# KiCad board evr-fmc.kicad_pcb (continued)
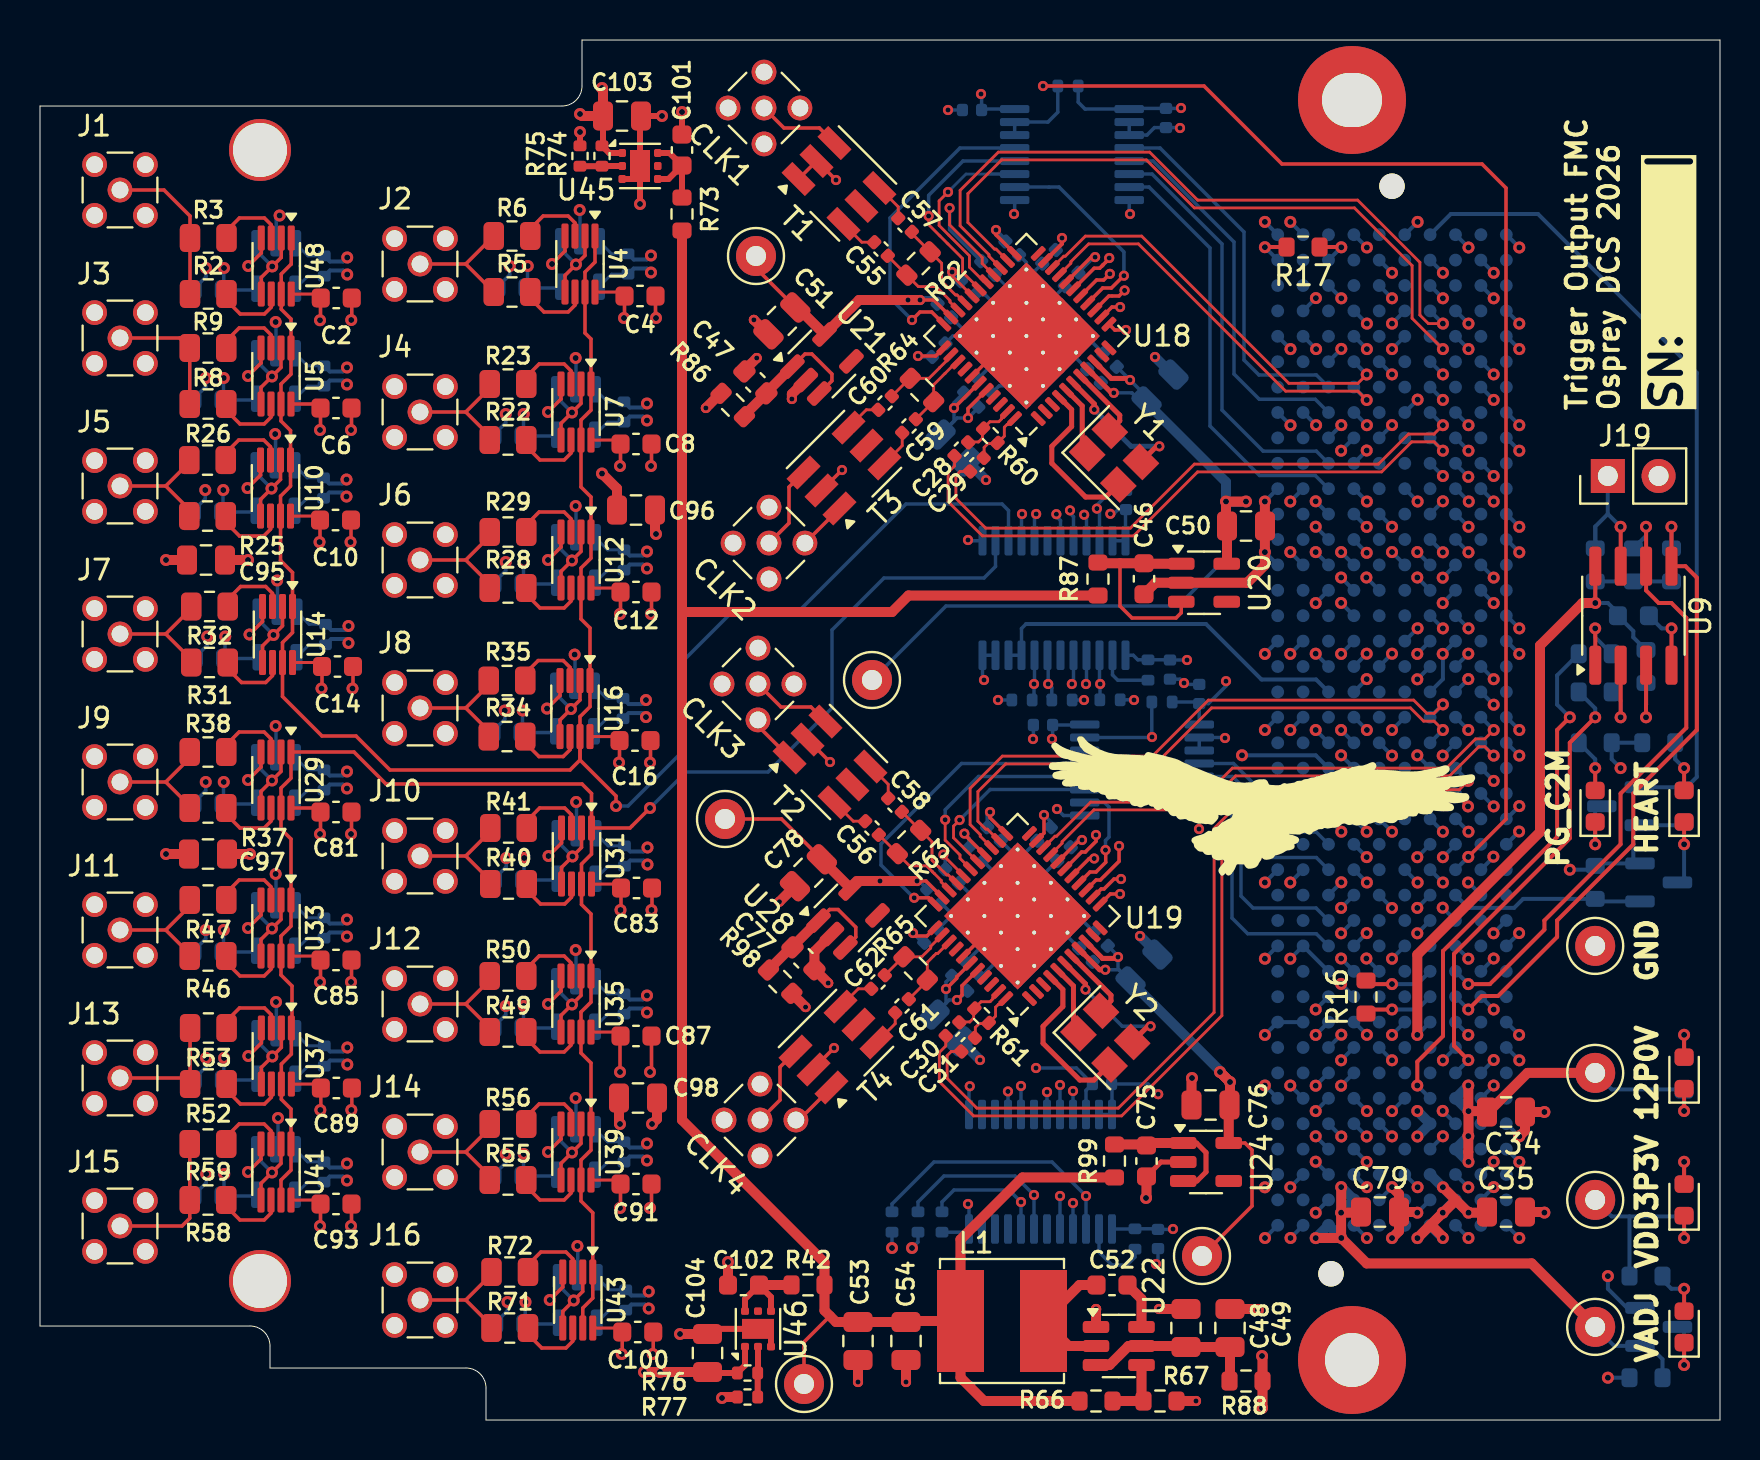
[diagram p0: board, top side]
## Nets (continued)
Net-(U43-1A): U42.1 U43.2 U43.5
Net-(U43-1Y): R71.1 U43.6
Net-(U43-2Y): R72.1 U43.3
Net-(U45-EN): C101.1 R73.2 U45.4 U45.6
Net-(U45-FB): R74.2 R75.1 U45.2
Net-(U46-EN): C102.1 R42.2 U46.4 U46.6
Net-(U46-FB): R76.1 R77.2 U46.2
Net-(U48-1A): U1.1 U48.2 U48.5
Net-(U48-1Y): R2.1 U48.6
Net-(U48-2Y): R3.1 U48.3

Pads without a net: P1 A2 A3 A6 A7 A10 A11 A14 A15 A18 A19 A22 A23 A26 A27 A30 A31 A34 A35 A38 A39 B1 B4 B5 B8 B9 B12 B13 B16 B17 B24 B25 B28 B29 B32 B33 B36 B37 B40 C2 C3 C6 C7 D11 D23 D29 D33 D34 E2 E3 E6 E7 E9 E10 E12 E13 E15 E16 E18 E19 E21 E22 E24 E25 E27 E28 E30 E31 E33 E34 E36 E37 E39 F1 F4 F5 F7 F8 F10 F11 F13 F14 F16 F17 F19 F20 F22 F23 F25 F26 F28 F29 F31 F32 F34 F35 F37 F38 F40 G2 G3 H1 H4 H5 H16 H17 H20 H23 J2 J3 J6 J7 J9 J10 J12 J13 J15 J16 J18 J19 J21 J22 J24 J25 J27 J28 J30 J31 J33 J34 J36 J37 J39 K3 K4 K6 K7 K9 K10 K12 K13 K15 K16 K18 K19 K21 K22 K24 K25 K27 K28 K30 K31 K33 K34 K36 K37 K39; T1 5; T2 5; T3 5; T4 5; U18 1 2 3 10 11 22 37 41 42; U19 1 2 3 10 11 22 37 41 42; U20 4; U21 4; U24 4; U26 6 18; U27 6 9 10 14 15 18; U28 4; U45 5; U46 5

## Via types
v1: diameter 0.6, hole 0.3, Top to Bottom, 438 vias
v2: diameter 0.508, hole 0.254, Top to Bottom, 115 vias

## Routing (per net, layer and track width the routed paths; a pad name or vN(x,y) marks a point on that pad's centre or on a via; arc(x,y) is an arc through that point)
+12V_FMC: length 22.3
  Top w0.5: v1(61.1,0.6) 61.12,0.62 R88.1 61.12,3.18 v1(61.1,3.2) ; v1(71.43,15.44) 71.43,14.2 v1(71.41,14.19) 71.41,12.92 v1(71.43,12.91) ; v1(71.43,15.44) 72.5,15.44 72.55,15.4 ; v1(71.43,15.44) 71.41,15.45 v1(71.41,16.72) ; TP2.1 74.38,17.36 72.42,15.4 C34.1
  Bottom w0.2: 82.21,16.53 78.59,16.53 TP2.1
  Bottom w0.5: v1(71.41,16.72) 70.78,16.08 70.78,16.08 v1(71.43,15.44) 71.41,15.44 ; 71.41,14.19 P1.C37 71.41,12.91 v1(71.43,12.91)
/Digital IO/VCC_A: length 51.9
  Top w0.15: C6.2 13.83,50.8 ; U14.8 13.9,37.88 C14.2 ; C8.2 28.82,49 U7.8 ; U48.8 13.84,56.3 C2.2 ; U10.8 13.8,45.2 C10.2 ; U4.8 29.03,56.4 C4.2 ; C12.2 28.82,41.6 U12.8 ; C16.2 28.78,34.17 U16.8
  Top w0.175: v1(29.2,55.1) 29.22,55.12 C4.2 ; v1(29,40.3) 29.03,40.33 C12.2 ; C8.2 29.03,47.72 v1(29,47.7) ; C14.2 14.1,36.6 v1(14.08,36.58) ; 14.03,56.09 14.03,55.01 v1(14,54.99) ; v1(28.95,32.87) 28.98,32.9 C16.2 ; U5.8 13.83,50.8 ; v1(13.98,43.9) 14,43.92 C10.2 ; C6.2 14.03,49.53
  Top w0.3: 14.03,56.09 C2.2 ; 29.03,56 C4.2 ; 14.1,44.9 C10.2 14,45.1 14.03,45.12 ; U45.1 28.46,63.35 R75.2 28.15,63.76 C103.1 ; 28.98,41.35 C12.2
  Top w0.5: C96.1 30.75,44.35 v1(30.8,44.3) ; C95.1 v1(10.4,43) ; v1(27,65.3) 27.1,65.2 C103.1 28.15,66.55 v1(28.1,66.6)
  Bottom w0.175: U13.5 10.86,38.08 C13.2 9.25,39.16 ; 9.15,46.49 C9.2 10.76,45.4 U8.5 ; 9.17,52.09 C5.2 10.79,51 U2.5 ; U11.5 25.79,41.8 C11.2 24.18,42.89 ; U15.5 25.74,34.37 C15.2 24.13,35.46 ; U6.5 25.79,49.2 C7.2 24.18,50.29 ; 24.38,57.69 C3.2 25.99,56.6 U3.5 ; v1(9.2,57.6) 9.19,57.59 C1.2 10.8,56.5 U1.5
  vias: v1(9.19,52.1) v1(9.16,46.5) v1(9.26,39.18) v1(14,49.5) v1(24.14,35.47) v1(24.19,50.3) v1(24.19,42.9) v1(24.39,57.7)
/Digital IO/VCC_B: length 53.4
  Top w0.15: C93.2 13.83,11 U41.8 ; U31.8 28.85,26.8 C83.2 ; C85.2 13.83,23.2 U33.8 ; C89.2 13.84,16.8 U37.8 ; C91.2 28.82,12 U39.8 ; C81.2 13.83,30.6 ; U35.8 28.82,19.4 C87.2 ; U43.8 28.91,4.6 C100.2
  Top w0.175: v1(29.09,3.3) 29.11,3.32 C100.2 ; C93.2 14.03,9.72 v1(14,9.7) ; v1(14,21.9) 14.03,21.92 C85.2 ; C87.2 29,19.17 v1(29,17.4) ; C81.2 14.03,29.33 v1(14,29.3) ; v1(29,10.6) 29.03,10.62 C91.2 ; U29.8 13.83,30.6 ; v1(29.02,25.5) 29.05,25.52 C83.2 ; v1(14.02,15.5) 14.04,15.53 C89.2
  Top w0.3: U46.1 35.25,2.74 R76.2 33.43,2.35 C104.1
  Top w0.5: C98.1 28.95,14.85 v1(29,14.8) ; C104.1 v1(31,2.4) v1(30.2,2.4) ; 29.11,11.71 C91.2 ; 14.03,16.62 C89.2 ; C97.1 v1(10.5,28.3) ; 14.04,10.82 C93.2 ; 29.05,19.22 C87.2
  Bottom w0.175: U42.5 25.88,4.8 C94.2 24.26,5.89 ; 24.18,20.69 C86.2 25.79,19.6 U34.5 ; 10.79,30.8 U17.5 10.79,30.8 ; 10.79,30.8 C80.2 9.17,31.89 ; 9.19,18.09 C88.2 10.8,17 U36.5 ; U30.5 25.81,27 C82.2 24.2,28.09 ; C92.2 10.79,11.2 U40.5 ; U32.5 10.79,23.4 C84.2 9.17,24.49 ; 24.18,13.29 C90.2 25.79,12.2 U38.5 ; 9.2,11.2 9.2,12.29
  vias: v1(9.19,31.9) v1(9.19,24.5) v1(9.2,18.1) v1(9.21,12.3) v1(24.21,28.1) v1(24.19,20.7) v1(24.19,13.3) v1(24.28,5.9)
/Jitter Cleaner0/VDD: length 40.5
  Top w0.175: U18.39 46.94,51.84 v2(45.7,50.6) ; U18.40 46.4,50.57 v2(46.4,50.1) ; C51.1 35.8,57.59 TP5.1 ; v2(44,56) 44.69,56 U18.32
  Top w0.2: v2(51.1,59.1) 51.1,58.81 U18.21
  Top w0.5: v2(44,56) v2(43.4,56) 40.95,56 U21.5 37.87,55.63 C51.1
  In4.Cu w0.5: 45.29,54.2 45.29,51.01 v2(45.7,50.6) 46.2,50.1 v2(46.4,50.1) ; 45.29,54.2 45.29,54.94 49.45,59.1 v2(51.1,59.1) ; 45.29,54.2 45.29,54.71 v2(44,56)
  Bottom w0.175: C23.1 51.1,58.81 v2(51.1,59.1) ; C25.1 45.7,50.86 v2(45.7,50.6) 45.7,49.94 C73.1 45.86,50.1 v2(46.4,50.1) 46.92,50.62 C26.1
  Bottom w0.2: v2(44,56) 44.1,56.1 44.59,56.1 C24.1
  Bottom w0.5: v2(43.4,56) v2(44,56)
/Jitter Cleaner0/VDDA: length 44
  Top w0.25: v2(54.5,52) 54.42,52.08 53.56,52.08 U18.9 ; v2(53.69,51.36) 53.58,51.36 U18.8
  Top w0.5: v1(60.3,45.92) 59.32,45.92 59.3,45.9 ; 59.35,42.8 U20.5 59.35,42.83 C50.1 59.3,44.75 v1(59.3,45.92)
  Bottom w0.175: C17.1 53.54,51.36 v2(53.69,51.36) 54.59,51.36 55.02,50.93 C63.1 55.33,51.17 v2(54.5,52) C18.1 ; TP7.1 45.3,40.7 56.9,40.7 59.3,43.1 v1(59.3,45.92)
  Bottom w0.25: 53.63,51.44 53.69,51.39 v2(53.69,51.36)
  Bottom w0.5: C63.1 55.33,50.87 59.3,46.9 59.3,45.9 60.28,45.9 v1(60.3,45.92)
/Jitter Cleaner1/VDD: length 41.7
  Top w0.175: U19.39 45.83,22.15 45.83,22.08 v2(45.3,21.55) ; TP9.1 37.08,30.05 C78.1 ; v2(45.85,21) 46.1,21.25 46.1,21.71 U19.40 ; v2(43.85,26.95) 44.3,26.95 U19.32 ; v2(50.2,30.25) 50.2,29.35 U19.21
  Top w0.5: C78.1 39.09,28.02 U28.5 40.91,26.95 v2(42,26.95) v2(43.85,26.95)
  In4.Cu w0.5: v2(45.85,21) v2(45.3,21.55) 44.75,22.1 44.75,26.65 ; 45.85,26.95 49.15,30.25 v2(50.2,30.25) ; 45.85,26.95 45.05,26.95 44.75,26.65 ; 45.85,26.95 v2(43.85,26.95) ; v2(43.85,26.95) v2(42,26.95) ; v2(43.85,26.95) 44.45,26.95 44.75,26.65
  Bottom w0.175: v2(50.2,30.25) 50.54,29.91 C41.1 ; C43.1 43.95,26.95 v2(43.85,26.95) ; C44.1 45.3,21.9 v2(45.3,21.55) 45.3,20.84 C74.1 45.46,21 v2(45.85,21) 45.9,21 C45.1
/Jitter Cleaner1/VDDA: length 27.4
  Top w0.175: U24.5 60.25,13.85 60.6,13.5 60.6,10.7 TP6.1
  Top w0.25: v2(53.9,23.15) 53.83,23.08 53.12,23.08 U19.9 ; U19.8 52.98,22.51 v2(53.26,22.51)
  Top w0.5: 59.47,16.93 v1(59,17.4) v1(59.5,16.9) 59.5,15.78 C76.1 59.44,15.71 U24.5
  Bottom w0.175: C37.1 53.04,22.51 v2(53.26,22.51) 53.94,22.51 C64.1 53.9,22.56 v2(53.9,23.15) 53.9,23.2 C39.1
  Bottom w0.5: v1(59.5,16.9) v1(59,17.4) 59,17.46 C64.1
GND: length 443.1
  Top w0.175: U4.4 26.25,58.45 v1(25.6,57.8) ; v1(15.55,9.7) 15.58,9.72 C93.1 ; U18.38 48.61,54.2 U18.45 ; v1(30.55,47.7) 30.57,47.72 C8.1 ; v1(25.4,43) 26.05,43.65 U12.4 ; U43.4 26.14,6.65 v1(25.49,6) ; v1(10.4,12.4) 11.05,13.05 U41.4 ; C12.1 30.57,40.33 v1(30.55,40.3) ; U35.4 26.05,21.45 v1(25.4,20.8) ; v1(10.38,46.6) 11.03,47.25 U10.4 ; v1(30.5,17.4) 30.57,17.47 C87.1 ; U5.4 11.05,52.85 v1(10.4,52.2) ; C100.1 30.66,3.32 v1(30.64,3.3) ; v1(25.43,28.2) 26.07,28.85 26.07,29.6 ; T3.2 v2(40.1,47.5) ; C89.1 15.59,15.53 v1(15.57,15.5) ; U19.38 47.34,24.37 U19.45 ; U37.4 11.07,18.85 v1(10.42,18.2) ; CLK2.2 38.25,43.85 T3.1 ; v1(15.55,29.3) 15.58,29.33 C81.1 ; v1(15.56,55) 15.59,55.03 C2.1 ; CLK3.2 35.9,34.7 T2.1 ; v1(30.5,10.6) 30.57,10.68 C91.1 ; C85.1 15.58,21.92 v1(15.55,21.9) ; v1(25.4,50.4) 26.05,51.05 U7.4 ; U16.4 26,36.22 v1(25.35,35.57) ; C83.1 30.6,25.52 v1(30.57,25.5) ; 11.12,40.68 11.12,39.92 v1(10.48,39.28) ; v1(10.41,57.7) 11.06,58.35 U48.4 ; T4.1 37.95,15 CLK4.2 ; T2.2 v2(39.5,32.9) ; T1.1 T1.2 38.85,62.95 v2(39.8,62) ; v1(30.5,32.87) 30.53,32.9 C16.1 ; v1(10.4,32) 11.05,32.65 U29.4 ; v1(30.8,55.1) 30.8,55.35 30.78,55.38 C4.1 ; v1(10.4,24.6) 11.05,25.25 U33.4 ; C10.1 15.55,43.92 v1(15.53,43.9) ; v2(39.7,18.6) 38.68,17.58 T4.2 ; v1(15.63,36.58) 15.65,36.6 C14.1 ; v1(15.55,49.5) 15.58,49.53 C6.1 ; U39.4 26.05,14.05 v1(25.4,13.4)
  Top w0.2: D3.1 v1(82.21,9.1) ; v1(61.25,58.64) 61.25,58.65 R17.2 ; U9.4 v1(81.57,39.58) ; D5.1 v1(82.21,15.45)
  Top w0.25: C75.2 56.05,12.9 U24.2
  Top w0.3: R74.1 v1(27,64.4) ; U45.7 30,65.15 C103.2 v1(31.1,65.2) ; U45.7 30,62.4 29.65,62.05 U45.3 ; U45.7 v1(30,60.8) ; 33.37,4.3 33.63,4.56 U46.7 36.3,4.56 36.55,4.31 U46.3 ; C101.2 v1(32.1,65.4)
  Top w0.5: C102.2 v1(34.4,7.9) ; C54.2 v2(43.3,1.9) ; v1(30.6,14.8) 30.85,15.05 C98.2 ; v1(75.22,10.37) 75.19,10.4 C35.2 ; C96.2 28.85,46.57 v1(28.1,47.32) ; R67.2 v2(57.8,0.95) ; v1(61.25,45.92) 61.25,44.7 C50.2 61.25,44.7 v1(61.25,43.39) 61.25,42.75 60.36,41.86 U20.2 55.78,41.86 C46.2 ; R77.1 34.15,1.15 v1(34.1,1.1) ; v1(75.22,15.4) C34.2 74.25,14.47 v1(73.97,14.18) ; v1(67.6,11.65) 67.95,11.29 C79.2 ; 52.81,5.54 v2(52.8,5.55) U22.1 ; C53.2 v2(40.9,1.9) ; v2(37.59,51.05) 37.59,51.3 U21.2 ; C78.2 v2(36.97,25.91) ; U28.2 38.72,23.42 C77.2 v2(39.41,21.85) ; v1(60.9,5.5) 60.85,5.55 C49.2 ; v1(57.6,17.1) 57.57,17.07 C76.2 ; C95.2 v1(6.3,43) ; v1(67.6,9.09) 67.95,9.44 C79.2 ; v2(35.69,55.01) 36.42,54.28 C51.2 ; C48.2 v2(55.95,5.55) ; C79.2 68.83,10.4 v1(68.87,10.37) ; C47.2 35.16,52.43 v2(35.84,53.1) ; C75.2 55.32,11.12 v1(55.3,11.1) ; C97.2 v1(6.3,28.3) ; C104.2 v1(32,4.3)
  Bottom w0.14: C27.2 49.32,55.68 U18.45
  Bottom w0.175: C3.1 23.49,57.26 v1(23.49,57.7) ; C1.1 8.3,57.16 v1(8.3,57.6) ; U18.45 45.64,54.2 C22.2 ; v2(47.2,37) 47.12,37.08 U26.12 47.78,38.24 ; U8.2 11.78,49.28 ; C18.2 52.3,54.2 U18.45 ; C70.1 53.58,46.48 52.85,45.75 v2(52.85,45.57) 52.97,45.44 U26.22 ; C66.1 56.98,64.62 v2(57,64.6) ; C44.2 48.6,25.2 U19.45 ; C7.1 23.29,49.86 v1(23.29,50.3) ; C37.2 50.35,25.2 U19.45 ; U19.45 48.88,23.98 C45.2 ; U19.45 48.88,27.98 C41.2 ; U19.45 47.6,25.2 C38.2 ; U19.45 51.9,25.2 C39.2 ; U19.45 48.88,25.98 C32.2 ; U19.45 50.49,23.59 ; U19.45 48.88,26.22 C42.2 ; U19.45 48.88,28.12 C36.2 ; U19.45 45.7,25.2 C43.2 ; R94.1 46.29,9.39 U27.12 ; C40.2 44.9,24.54 U19.45 ; v2(46.4,10.8) 46.45,10.75 U27.12 ; v2(48.7,60.3) 48.73,60.33 U23.9 ; C21.2 47.26,56.26 U18.45 ; v2(49.65,34.05) 49.67,34.07 C67.1 ; U32.2 11.8,27.28 ; U13.2 11.88,41.96 ; v1(8.36,39.18) 8.36,38.74 C13.1 ; U25.3 U25.2 59.22,34.12 v2(59.25,34.1) ; v2(49.8,17.6) 51.82,17.6 C72.1 52.3,16.48 52.3,15.28 ; U25.8 57.96,29.56 v2(57.95,29.55) ; R93.1 v2(47.9,36) ; U27.12 U27.11 ; v2(50.85,30.55) 51.18,30.22 U25.9 ; 7.65,11.2 8.31,11.86 v1(8.31,12.3) ; v1(8.29,24.5) 8.29,24.06 C84.1 ; v1(23.29,13.3) 23.29,12.86 C90.1 ; v1(11.98,60.22) 11.81,60.06 U1.2 ; v1(8.3,18.1) 8.3,17.66 C88.1 ; C5.1 8.29,51.66 v1(8.29,52.1) ; v1(23.31,28.1) 23.31,27.66 C82.1 ; U18.45 49.32,57.88 C20.2 ; U18.45 49.32,57.03 C23.2 ; U18.45 49.32,54.77 C19.2 ; U18.45 49.32,55.63 ; U42.2 26.89,8.68 ; v2(54.5,60.3) 54.46,60.34 U23.8 ; C80.1 8.29,31.46 v1(8.29,31.9) ; C17.2 51.81,53.09 U18.45 ; U40.2 11.9,13.64 v1(11.9,15.1) 11.8,15 ; C69.1 57.01,37.04 v2(57.2,36.85) 57.27,36.78 C68.1 ; C25.2 47.37,52.54 U18.45 ; U26.13 46.44,43.96 v2(46.4,44) ; 47.77,55.03 U18.45 ; U2.2 11.8,54.88 ; U36.2 11.82,20.88 v1(11.8,20.9) ; C11.1 23.29,42.46 v1(23.29,42.9) ; 56.1,64.62 55.72,64.62 55.35,64.25 U23.3 U23.2 ; v2(46.49,16.69) 46.45,16.65 46.45,15.28 ; v1(23.24,35.47) 23.24,35.03 C15.1 ; v2(55.8,7.8) 55.9,7.9 C71.1 ; v1(23.29,20.7) 23.29,20.26 C86.1 ; C65.1 v2(45.4,65.5) ; v1(8.26,46.5) 8.26,46.06 C9.1 ; U6.2 26.8,53.08 ; U18.45 47.96,51.71 C26.2 ; U17.2 11.8,34.68 ; C24.2 46.49,54.2 U18.45 ; U34.2 26.8,23.48 ; U38.2 26.8,16.08 ; U3.2 27,60.48 ; v1(23.38,5.9) 23.38,5.46 C94.1 ; U15.2 26.75,38.25 ; U11.2 26.8,45.68 ; U30.2 26.82,30.88
  Bottom w0.2: 70.78,55.46 v1(71.43,54.82) ; 73.32,38.94 v1(73.97,38.31) ; 68.24,16.08 v1(67.6,15.44) ; P1.E1 v1(68.88,59.91) ; 64.43,22.44 P1.H30 P1.J29 v1(62.51,23.06) ; 70.78,50.38 v1(71.43,49.74) ; P1.D39 v1(68.87,10.37) ; P1.B11 v1(72.69,45.92) ; P1.B22 v1(72.69,31.95) ; 68.24,55.46 v1(67.6,54.82) ; P1.D22 v1(68.87,33.23) ; 72.04,37.68 v1(72.69,37.04) ; P1.H27 v1(65.06,26.89) ; P1.K5 v1(62.53,53.55) ; P1.J17 v1(62.51,38.31) ; 73.32,49.11 v1(73.97,48.47) ; 73.32,18.62 v1(73.97,17.98) ; P1.J26 v1(62.51,26.88) ; C33.2 81.08,39.58 v1(81.57,39.58) 81.43,39.72 ; P1.C36 v1(70.13,15.45) ; P1.A32 v1(73.96,19.25) ; P1.H36 v1(65.06,14.17) ; 73.32,40.22 v1(73.97,39.58) ; P1.J38 v1(62.51,11.63) ; 65.71,54.19 v1(66.34,53.55) ; 70.78,28.78 v1(70.15,28.14) ; P1.E17 v1(68.88,39.58) ; 65.71,50.38 v1(66.34,49.74) ; 72.04,12.28 v1(72.69,12.92) ; R101.1 82.21,29.74 Q1.2 79.66,29.74 79.66,27.83 Q3.2 77.76,27.83 R103.1 77.57,27.52 v1(76.49,27.52) ; P1.B31 v1(72.69,20.53) ; 70.78,44.03 v1(71.43,43.39) ; 66.96,26.24 v1(67.6,25.6) ; Q2.2 79.35,5.6 78.4,6.56 v1(78.4,7.19) ; P1.H24 v1(65.06,29.42) ; 73.32,44.03 v1(73.97,43.39) ; P1.H18 v1(63.78,38.31) ; P1.K11 v1(61.25,45.92) ; P1.F9 v1(67.6,49.75) ; P1.J20 v1(62.51,34.5) ; P1.D37 v1(70.15,14.19) ; 73.32,35.14 v1(73.97,34.5) ; 73.32,13.55 v1(73.97,12.91) ; P1.J4 v1(63.79,56.09) ; 73.32,54.19 v1(73.97,53.55) ; P1.K1 v1(61.25,59.91) ; P1.F15 v1(66.32,42.13) ; P1.B7 v1(72.69,51) ; P1.B3 v1(72.69,56.08) ; P1.E40 v1(67.6,9.09) ; P1.D28 v1(68.87,24.33) ; 72.04,16.08 v1(72.69,16.72) ; 72.04,58 v1(72.69,57.36) ; 70.78,59.27 v1(71.43,58.62) ; 66.96,58 v1(67.6,57.36) ; 61.88,31.32 v1(62.53,30.68) ; P1.B19 v1(72.69,35.77) ; 69.5,40.22 v1(70.15,39.58) ; 70.78,40.22 v1(71.43,39.58) ; P1.K17 v1(61.25,38.31) ; 65.71,16.08 v1(66.34,15.44) ; P1.E11 v1(68.88,45.92) ; P1.K20 v1(61.25,34.5) ; 68.24,50.38 v1(68.88,51.02) ; 63.16,9.74 v1(62.53,9.1) ; P1.H39 v1(63.78,10.37) ; 63.16,31.32 v1(63.81,30.68) ; P1.E5 v1(67.6,53.55) ; P1.F24 v1(67.6,29.42) ; 73.32,14.82 v1(73.97,14.18) ; P1.E26 v1(68.88,26.88) ; 65.71,27.52 v1(66.34,26.88) ; v1(65.06,56.08) P1.H3 ; P1.C29 v1(71.41,23.06) ; P1.A25 v1(73.96,29.42) ; P1.C28 v1(70.13,25.61) ; 61.88,16.08 v1(61.25,16.72) ; P1.K14 v1(61.25,43.39) ; 65.71,12.28 v1(66.34,11.64) ; 70.78,49.11 v1(71.43,48.47) ; 72.04,31.32 v1(72.69,30.68) ; P1.E20 v1(67.6,34.5) ; 69.5,58 v1(70.15,57.36) ; P1.A28 v1(72.68,24.33) ; P1.C20 v1(71.41,34.5) ; P1.F39 v1(67.6,11.65) ; P1.B15 v1(72.69,40.84) ; P1.F21 v1(67.6,33.22) ; 65.71,31.32 v1(66.34,30.68) ; P1.D7 v1(70.15,51) ; 70.78,18.62 v1(70.15,17.98) ; 73.32,50.38 v1(73.97,49.74) ; 70.78,54.19 v1(71.43,53.55) ; P1.F30 v1(66.32,23.08) ; 72.04,47.84 v1(72.69,47.2) ; P1.K29 v1(61.25,23.06) ; P1.B39 v1(72.69,11.65) ; 72.04,17.36 v1(72.69,18) ; P1.J14 v1(62.51,43.39) ; P1.E14 v1(67.6,43.39) ; 73.32,59.27 v1(73.97,58.62) ; 72.04,42.76 v1(72.69,42.12) ; 73.32,33.86 v1(73.97,33.22) ; 63.16,54.19 v1(63.81,53.55) ; P1.D19 70.15,37.05 70.15,38.31 P1.C17 v1(70.13,38.31) ; 68.24,12.28 v1(68.88,11.64) ; 63.16,50.38 v1(63.81,49.74) ; P1.B27 72.06,26.25 ; P1.J1 v1(62.51,59.91) ; P1.E32 v1(67.6,19.25) ; 65.71,55.46 v1(66.34,54.82) ; 66.96,52.92 v1(67.6,52.28) ; 73.32,30.06 v1(73.97,30.69) ; 73.32,55.46 v1(73.97,54.82) ; 63.16,16.08 v1(62.51,16.72) ; 72.04,52.92 v1(72.69,52.28) ; 61.88,9.74 61.25,9.1 ; P1.B26 72.68,28.14 ; 68.24,31.32 v1(68.88,30.68) ; P1.J11 v1(62.51,45.92) ; P1.G17 v1(65.06,38.31) ; P1.F3 v1(67.6,56.08) ; 70.78,30.06 v1(71.43,29.42) ; 64.43,52.92 v1(65.06,53.56) ; 65.71,46.56 v1(66.34,45.92) ; R102.1 v1(78.4,2.12) ; 72.06,26.25 71.43,26.88 ; 70.78,9.74 v1(71.43,9.1) ; P1.C32 v1(71.41,19.25) ; P1.F18 v1(67.6,38.31) ; P1.B30 v1(72.69,23.08) ; 69.5,52.92 v1(70.15,52.28) ; 73.32,45.3 v1(73.97,44.66) ; P1.J32 P1.K32 v1(61.25,19.25) ; 70.78,45.3 v1(71.43,44.66) ; 65.71,9.74 v1(66.34,9.1) ; 73.32,9.74 v1(73.97,9.1) ; 61.88,58 v1(61.25,58.64) ; 69.5,28.78 v1(68.87,28.14) ; 66.96,45.3 v1(67.6,44.66) ; P1.K38 v1(61.25,11.63) ; P1.K26 v1(61.25,26.88) ; 65.71,59.27 v1(66.34,58.62) ; P1.F33 v1(67.6,17.98) ; 61.88,50.38 v1(62.53,49.74) ; P1.H33 v1(65.06,19.27) ; 65.71,35.14 v1(66.34,34.5) ; P1.H12 v1(63.78,45.94) ; P1.H21 v1(63.78,34.5) ; 69.5,47.84 v1(70.15,47.2) ; P1.D13 v1(70.15,43.39) ; P1.E29 v1(67.6,23.06) ; P1.G14 v1(65.05,43.4) ; P1.D3 v1(70.15,56.08) ; P1.H9 v1(65.06,49.75) ; P1.G29 v1(66.34,24.34) ; P1.A29 v1(73.96,24.34) ; P1.C38 v1(71.41,11.63) ; 65.71,19.9 v1(66.34,19.26) ; P1.C21 v1(70.13,33.22) ; 66.96,14.82 v1(67.6,14.18) ; P1.H15 v1(63.78,40.84)
  Bottom w0.5: C73.2 v2(47.3,47) ; C64.2 55.87,23.33 v2(55,24.2) ; C74.2 v2(47,18) ; C63.2 56.63,52.27 v2(55.75,53.15)
  vias: v1(11.78,54.9) v1(11.76,49.3) v1(11.78,34.7) v1(11.78,27.3) v1(11.86,41.98) v1(26.73,38.27) v1(26.78,53.1) v1(26.78,45.7) v1(26.81,30.9) v1(26.78,23.5) v1(26.78,16.1) v1(26.87,8.7) v1(26.98,60.5) v1(61.25,9.1) v1(71.41,26.88) v1(72.67,28.17)
VDD3P3V: length 48.5
  Top w0.14: U18.26 47.11,57.82 47.11,58.13 45.48,59.76 v2(45.48,60.6)
  Top w0.175: v2(46.22,29.32) 46.22,29.28 U19.26
  Top w0.5: v1(68.87,9.09) 69.54,9.76 ; 69.54,9.76 v1(70.14,10.37) 70.16,10.37 70.79,10.99 ; 69.54,9.76 70.15,9.16 v1(70.15,9.1) 70.16,9.1 ; R98.1 v2(38.28,20.65) ; 70.79,10.99 v1(70.15,11.64) ; 70.79,10.99 71.42,10.37 v1(71.43,10.37) 72.32,10.37 C35.1 ; R86.1 34.03,51.33 v2(33.29,50.6)
  Bottom w0.175: v2(47.05,66.3) 47.08,66.27 C65.2 47.13,65.55 U23.16 ; C27.1 45.48,59.52 v2(45.48,60.6) ; 50.66,34.78 50.65,34.78 ; 52.95,15.28 53.6,15.28 53.6,16.78 C72.2 55.4,16.8 v2(55.91,16.29) ; C42.1 46.46,29.08 v2(46.22,29.32) ; U25.16 52.21,34.75 C67.2 50.63,34.08 v2(50.6,34.05) ; U26.23 54.28,43.96 54.28,45.5 C70.2 53.9,45.52 53.69,45.31 v2(53.52,45.31)
  Bottom w0.2: v1(79.03,32.59) 78.59,33.04 R18.2 80.3,33.86 ; TP3.1 78.59,10.18 R20.2 81.95,9.93 ; R19.2 79.47,10.18
  Bottom w0.5: 68.87,14.18 P1.D36 68.87,15.45 ; 68.87,9.1 P1.D40 70.14,9.1 v1(70.15,9.1) ; v1(70.15,11.64) 70.14,11.64 P1.D38 ; 70.14,10.37 P1.C39 71.41,10.37 v1(71.43,10.37)
  vias: v1(68.87,15.45) v1(68.87,14.17)
3P3VAUX: length 37.1
  Top w0.2: U9.8 v1(77.76,40.85)
  Top w0.5: v1(77.76,40.85) 77.12,40.85 75,38.72 75,29.4 68.87,23.27 v1(68.87,19.25)
  Bottom w0.2: R12.1 79.66,39.14 79.66,39.44 78.9,40.22 78.9,40.35 78.4,40.85 v1(77.76,40.85) R13.1 R14.1 ; P1.D32 v1(68.87,19.25)
/Digital IO/D_Output0.N: length 68.4
  In2.Cu w0.15: v1(15.36,57.28) 15.59,57.5 16.08,57.5 16.56,57.98 16.56,60.68 17.28,61.4 36.42,61.4 38.4,59.42 38.4,56.62 43.12,51.9 45.72,51.9 50.02,47.6 63.92,47.6 64.6,46.92 64.6,45.09 v1(66.34,43.36)
  Bottom w0.15: R1.2 13.39,57.19 U1.4
  Bottom w0.2: R1.2 14.5,57.47 15.16,57.47 v1(15.36,57.28) ; 65.69,44 v1(66.34,43.36)
/Digital IO/D_Output0.P: length 68
  In2.Cu w0.15: v1(15.36,58.12) 15.59,57.9 15.92,57.9 16.16,58.14 16.16,60.84 17.12,61.8 36.58,61.8 38.8,59.58 38.8,56.78 43.28,52.3 45.88,52.3 50.18,48 64.08,48 65,47.08 65,45.26 65.61,44.66 v1(66.34,44.66)
  Bottom w0.15: R1.1 13.39,58.21 U1.3
  Bottom w0.2: P1.G12 v1(66.34,44.66) ; R1.1 14.5,57.93 15.16,57.93 v1(15.36,58.12)
/Digital IO/D_Output1.N: length 43.2
  In2.Cu w0.15: v1(30.55,57.38) 30.77,57.6 32.02,57.6 33.42,56.2 36.02,56.2 43.32,48.9 46.82,48.9 49.42,46.3 54.82,46.3 56.32,44.8 62.12,44.8 63.09,43.83 63.35,43.83 v1(63.78,43.39)
  Bottom w0.15: U3.4 28.58,57.29 R4.2
  Bottom w0.2: P1.H14 v1(63.78,43.39) ; R4.2 29.68,57.57 30.35,57.57 v1(30.55,57.38)
/Digital IO/D_Output1.P: length 43.2
  In2.Cu w0.15: v1(63.78,44.67) 63.35,44.23 63.25,44.23 62.28,45.2 56.48,45.2 54.98,46.7 49.58,46.7 46.98,49.3 43.48,49.3 36.18,56.6 33.58,56.6 32.18,58 30.77,58 v1(30.55,58.22)
  Bottom w0.15: R4.1 28.58,58.31 U3.3
  Bottom w0.2: v1(30.55,58.22) 30.35,58.03 29.68,58.03 R4.1 ; P1.H13 v1(63.78,44.67)
/Digital IO/D_Output2.N: length 59.9
  In2.Cu w0.15: v1(15.35,51.78) 15.57,52 16.28,52 18.08,53.8 36.42,53.8 42.62,47.6 44.32,47.6 48.02,43.9 55.32,43.9 56.92,42.3 63.32,42.3 64.33,41.29 64.62,41.29 v1(65.06,40.86)
  Bottom w0.15: R7.2 13.38,51.69 U2.4
  Bottom w0.2: v1(15.35,51.78) 15.15,51.97 14.48,51.97 R7.2 ; P1.G16 v1(65.06,40.86)
/Digital IO/D_Output2.P: length 59.9
  In2.Cu w0.15: v1(65.06,42.12) 64.62,41.69 64.49,41.69 63.48,42.7 57.08,42.7 55.48,44.3 48.18,44.3 44.48,48 42.78,48 36.58,54.2 17.92,54.2 16.12,52.4 15.57,52.4 v1(15.35,52.62)
  Bottom w0.15: R7.1 13.38,52.71 U2.3
  Bottom w0.2: P1.G15 v1(65.06,42.12) ; v1(15.35,52.62) 15.15,52.43 14.48,52.43 R7.1
/Digital IO/D_Output3.N: length 48.2
  In2.Cu w0.15: v1(68.87,42.12) 68.43,42.56 68.24,42.56 65.48,39.8 63.22,39.8 62.02,41 55.82,41 54.42,42.4 46.12,42.4 42.32,46.2 39.52,46.2 36.72,49 33.02,49 31.82,50.2 30.57,50.2 v1(30.35,49.97)
  Bottom w0.15: R21.2 28.38,49.89 U6.4
  Bottom w0.2: R21.2 29.48,50.17 30.15,50.17 v1(30.35,49.97) ; P1.D15 v1(68.87,42.12)
/Digital IO/D_Output3.P: length 48.2
  In2.Cu w0.15: v1(68.87,43.39) 68.43,42.96 68.08,42.96 65.32,40.2 63.38,40.2 62.18,41.4 55.98,41.4 54.58,42.8 46.28,42.8 42.48,46.6 39.68,46.6 36.88,49.4 33.18,49.4 31.98,50.6 30.57,50.6 v1(30.35,50.83)
  Bottom w0.15: R21.1 28.38,50.91 U6.3
  Bottom w0.2: P1.D14 v1(68.87,43.39) ; R21.1 29.48,50.63 30.15,50.63 v1(30.35,50.83)
/Digital IO/D_Output4.N: length 63.7
  In2.Cu w0.15: v1(70.13,40.84) 69.7,41.28 69.56,41.28 67.18,38.9 60.22,38.9 59.32,39.8 46.12,39.8 41.02,44.9 39.22,44.9 37.02,47.1 35.48,47.1 34.78,46.4 15.55,46.4 v1(15.32,46.17)
  Bottom w0.15: R24.2 13.35,46.09 U8.4
  Bottom w0.2: P1.C15 v1(70.13,40.84) ; R24.2 14.46,46.37 15.12,46.37 v1(15.32,46.17)
/Digital IO/D_Output4.P: length 63.7
  In2.Cu w0.15: v1(70.13,42.11) 69.7,41.68 69.4,41.68 67.02,39.3 60.38,39.3 59.48,40.2 46.28,40.2 41.18,45.3 39.38,45.3 37.18,47.5 35.32,47.5 34.61,46.8 15.55,46.8 v1(15.32,47.02)
  Bottom w0.15: U8.3 13.35,47.11 R24.1
  Bottom w0.2: R24.1 14.46,46.82 15.12,46.82 v1(15.32,47.02) ; P1.C14 v1(70.13,42.11)
/Digital IO/D_Output5.N: length 42.7
  In2.Cu w0.15: v1(66.34,37.05) 65.9,37.48 65.66,37.48 65.38,37.2 60.22,37.2 58.72,38.7 44.62,38.7 42.72,40.6 34.62,40.6 32.42,42.8 30.57,42.8 v1(30.35,42.58)
  Bottom w0.15: R27.2 28.38,42.49 U11.4
  Bottom w0.2: R27.2 29.48,42.77 30.15,42.77 v1(30.35,42.58) ; P1.G19 v1(66.34,37.05)
/Digital IO/D_Output5.P: length 42.7
  In2.Cu w0.15: v1(30.35,43.42) 30.57,43.2 32.58,43.2 34.78,41 42.88,41 44.78,39.1 58.88,39.1 60.38,37.6 65.22,37.6 65.5,37.88 65.9,37.88 v1(66.34,38.31)
  Bottom w0.15: R27.1 28.38,43.51 U11.3
  Bottom w0.2: P1.G18 v1(66.34,38.31) ; R27.1 29.48,43.23 30.15,43.23 v1(30.35,43.42)
/Digital IO/D_Output6.N: length 60.3
  In2.Cu w0.15: v1(68.87,37.03) 68.43,37.47 68.35,37.47 66.88,36 58.58,36 58.28,35.7 56.52,35.7 54.52,37.7 51.24,37.7 51.22,37.72 50.78,37.72 50.76,37.7 44.12,37.7 42.22,39.6 33.38,39.6 32.86,39.08 15.65,39.08 v1(15.42,38.85)
  Bottom w0.15: R30.2 13.45,38.77 12.83,38.14
  Bottom w0.2: P1.D18 v1(68.87,37.03) ; v1(15.42,38.85) 15.22,39.05 14.56,39.05 R30.2
/Digital IO/D_Output6.P: length 60.2
  In2.Cu w0.15: v1(68.87,38.31) 68.43,37.87 68.19,37.87 66.72,36.4 58.42,36.4 58.12,36.1 56.68,36.1 54.68,38.1 44.28,38.1 42.38,40 33.22,40 32.69,39.48 15.65,39.48 v1(15.42,39.7)
  Bottom w0.15: 12.83,40.41 13.45,39.78 R30.1
  Bottom w0.2: v1(15.42,39.7) 15.22,39.5 14.56,39.5 R30.1 ; P1.D17 v1(68.87,38.31)
/Digital IO/D_Output7.N: length 57.1
  In2.Cu w0.15: v1(30.3,35.15) 30.52,35.37 32.75,35.37 35.02,33.1 36.88,33.1 37.88,34.1 43.78,34.1 44.48,34.8 58.68,34.8 58.98,35.1 65.1,35.1 60.6,35.1 68.38,35.1 70.76,37.48 70.98,37.48 v1(71.41,37.05)
  Bottom w0.15: R33.2 28.33,35.06 U15.4
  Bottom w0.2: R33.2 29.44,35.35 30.1,35.35 v1(30.3,35.15) ; P1.C19 v1(71.41,37.05)
/Digital IO/D_Output7.P: length 57.1
  In2.Cu w0.15: v1(71.41,38.31) 70.98,37.88 70.6,37.88 68.22,35.5 60.6,35.5 65.1,35.5 58.82,35.5 58.52,35.2 44.32,35.2 43.62,34.5 37.72,34.5 36.72,33.5 35.18,33.5 32.91,35.77 30.52,35.77 v1(30.3,36)
  Bottom w0.15: R33.1 28.33,36.08 U15.3
  Bottom w0.2: v1(30.3,36) 30.1,35.8 29.43,35.8 R33.1 ; P1.C18 v1(71.41,38.31)
/Digital IO/D_Output8.N: length 55.5
  In2.Cu w0.15: v1(15.35,31.58) 15.57,31.8 41.18,31.8 42.08,32.7 54.02,32.7 54.92,31.8 60.38,31.8 61.58,33 63.78,33 64.45,33.67 64.62,33.67 v1(65.06,33.23)
  Bottom w0.15: U17.4 13.38,31.49 R36.2
  Bottom w0.2: R36.2 14.48,31.77 15.15,31.77 v1(15.35,31.58) ; P1.G22 v1(65.06,33.23)
/Digital IO/D_Output8.P: length 55.5
  In2.Cu w0.15: v1(65.06,34.5) 64.62,34.07 64.28,34.07 63.62,33.4 61.42,33.4 60.22,32.2 55.08,32.2 54.18,33.1 41.92,33.1 41.02,32.2 15.57,32.2 v1(15.35,32.42)
  Bottom w0.15: R36.1 13.38,32.51 U17.3
  Bottom w0.2: P1.G21 v1(65.06,34.5) ; R36.1 14.48,32.23 15.15,32.23 v1(15.35,32.42)
/Digital IO/D_Output9.N: length 43.2
  In2.Cu w0.15: v1(65.06,24.33) 64.62,24.77 58.95,24.77 52.22,31.5 43.88,31.5 40.38,28 30.6,28 v1(30.37,27.77)
  Bottom w0.15: R39.2 28.4,27.69 27.78,27.06
  Bottom w0.2: P1.G28 v1(65.06,24.33) ; v1(30.37,27.77) 30.17,27.97 29.51,27.97 R39.2
/Digital IO/D_Output9.P: length 43.2
  In2.Cu w0.15: v1(30.37,28.62) 30.6,28.4 40.22,28.4 43.72,31.9 52.38,31.9 59.11,25.17 64.62,25.17 v1(65.06,25.61)
  Bottom w0.15: U30.3 28.4,28.71 R39.1
  Bottom w0.2: v1(30.37,28.62) 30.17,28.42 29.51,28.42 R39.1 ; P1.G27 v1(65.06,25.61)
/Digital IO/D_Output10.N: length 56.6
  In2.Cu w0.15: v1(65.06,21.81) 64.62,22.24 63.18,22.24 62.64,21.7 54.58,21.7 52.98,20.1 48.32,20.1 46.32,22.1 42.62,22.1 40.32,24.4 15.57,24.4 v1(15.35,24.17)
  Bottom w0.15: U32.4 13.38,24.09 R45.2
  Bottom w0.2: v1(15.35,24.17) 15.15,24.37 14.48,24.37 R45.2 ; P1.G31 v1(65.06,21.81)
/Digital IO/D_Output10.P: length 56.6